# Altium PCB TCM.PcbDoc (part 1 of 10) (continued)
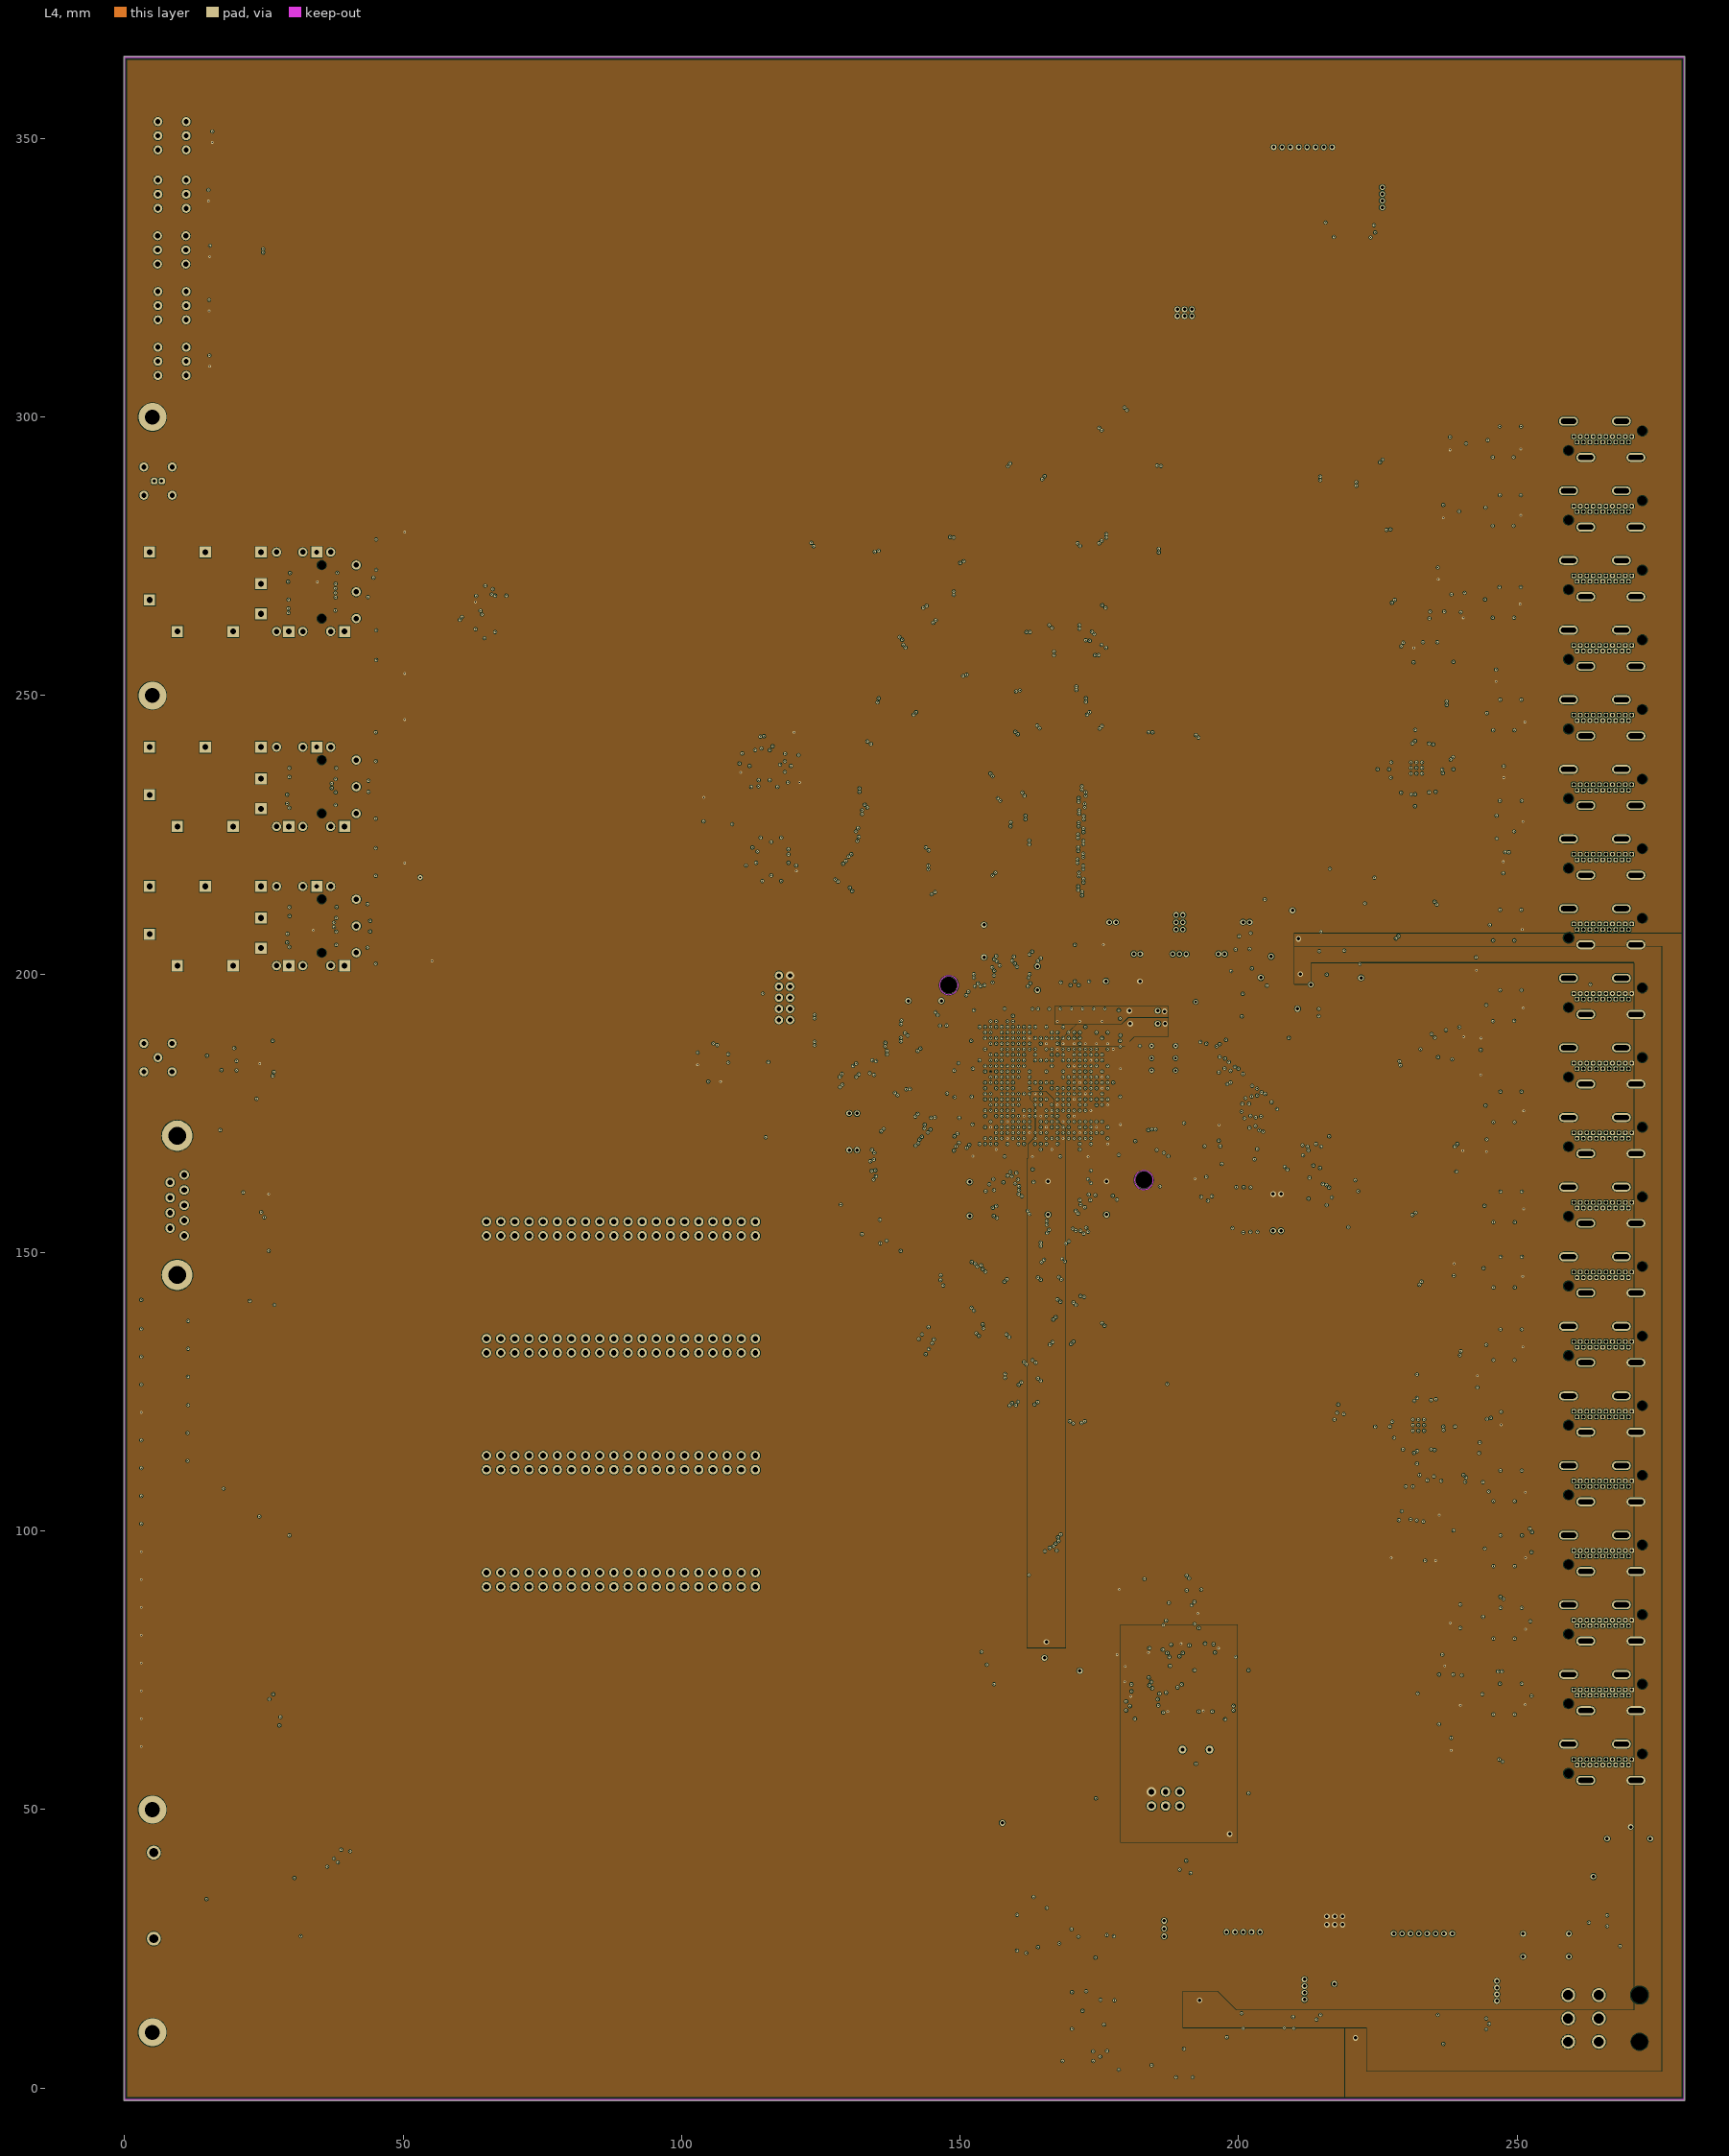
[diagram p4: L4]
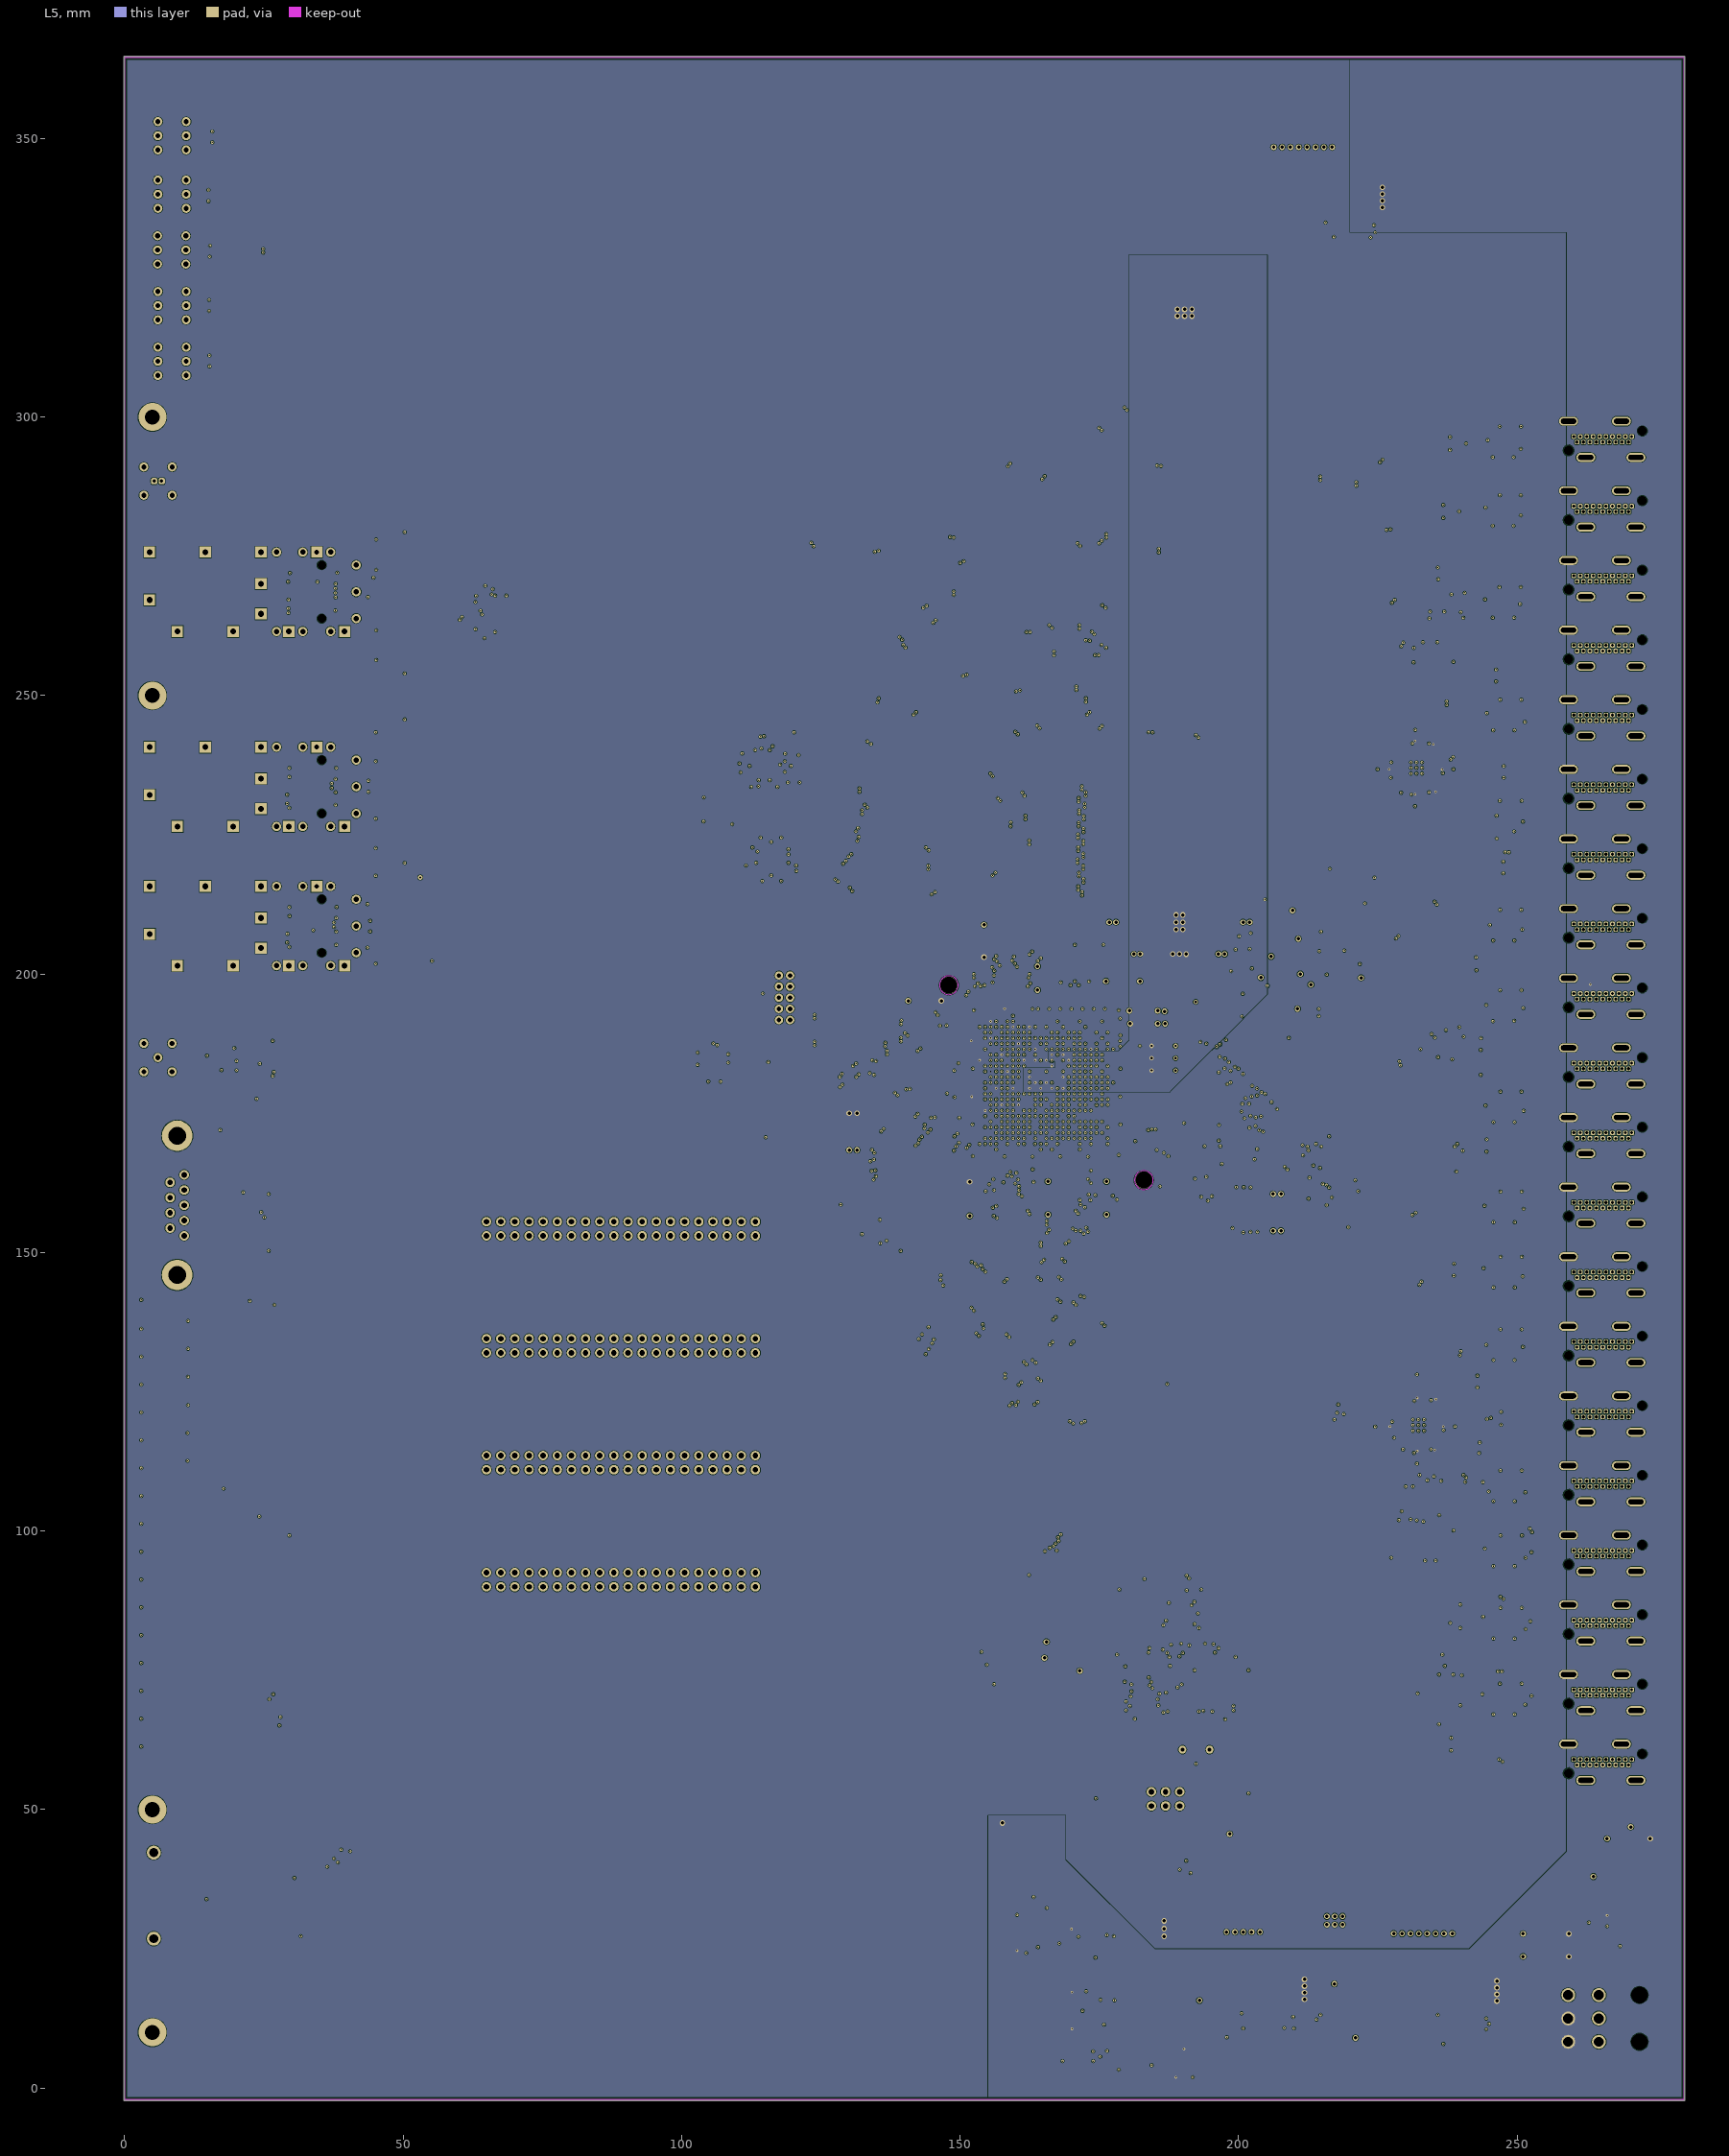
[diagram p5: L5]
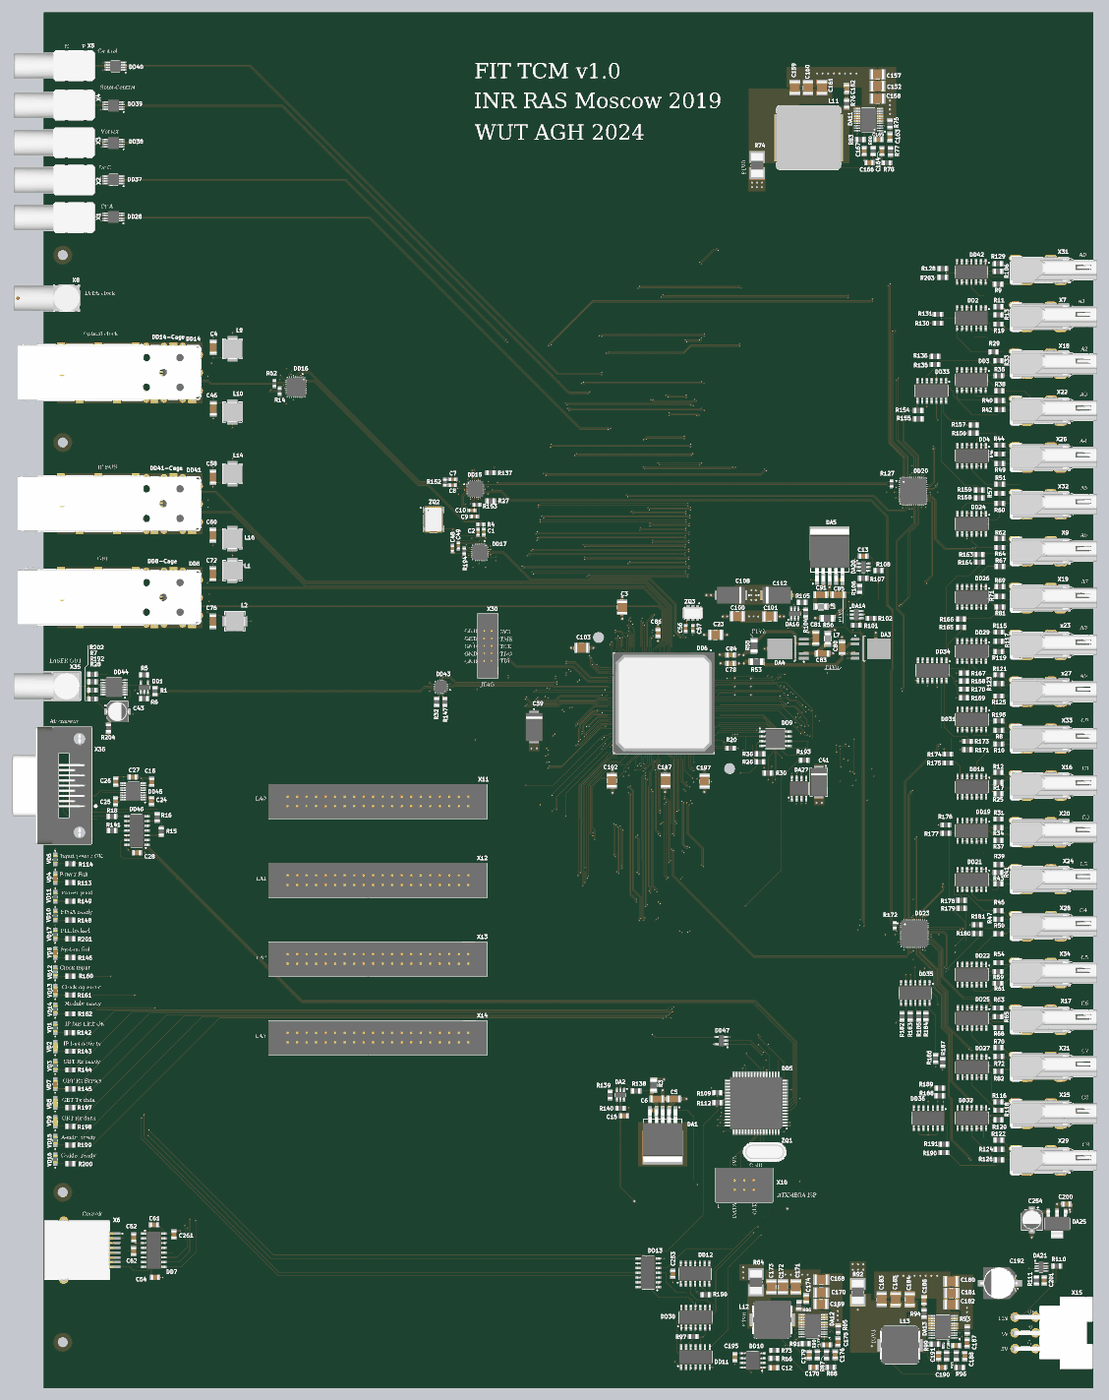
[diagram p15: 3D render of the assembled board from above, using the file's embedded part models]
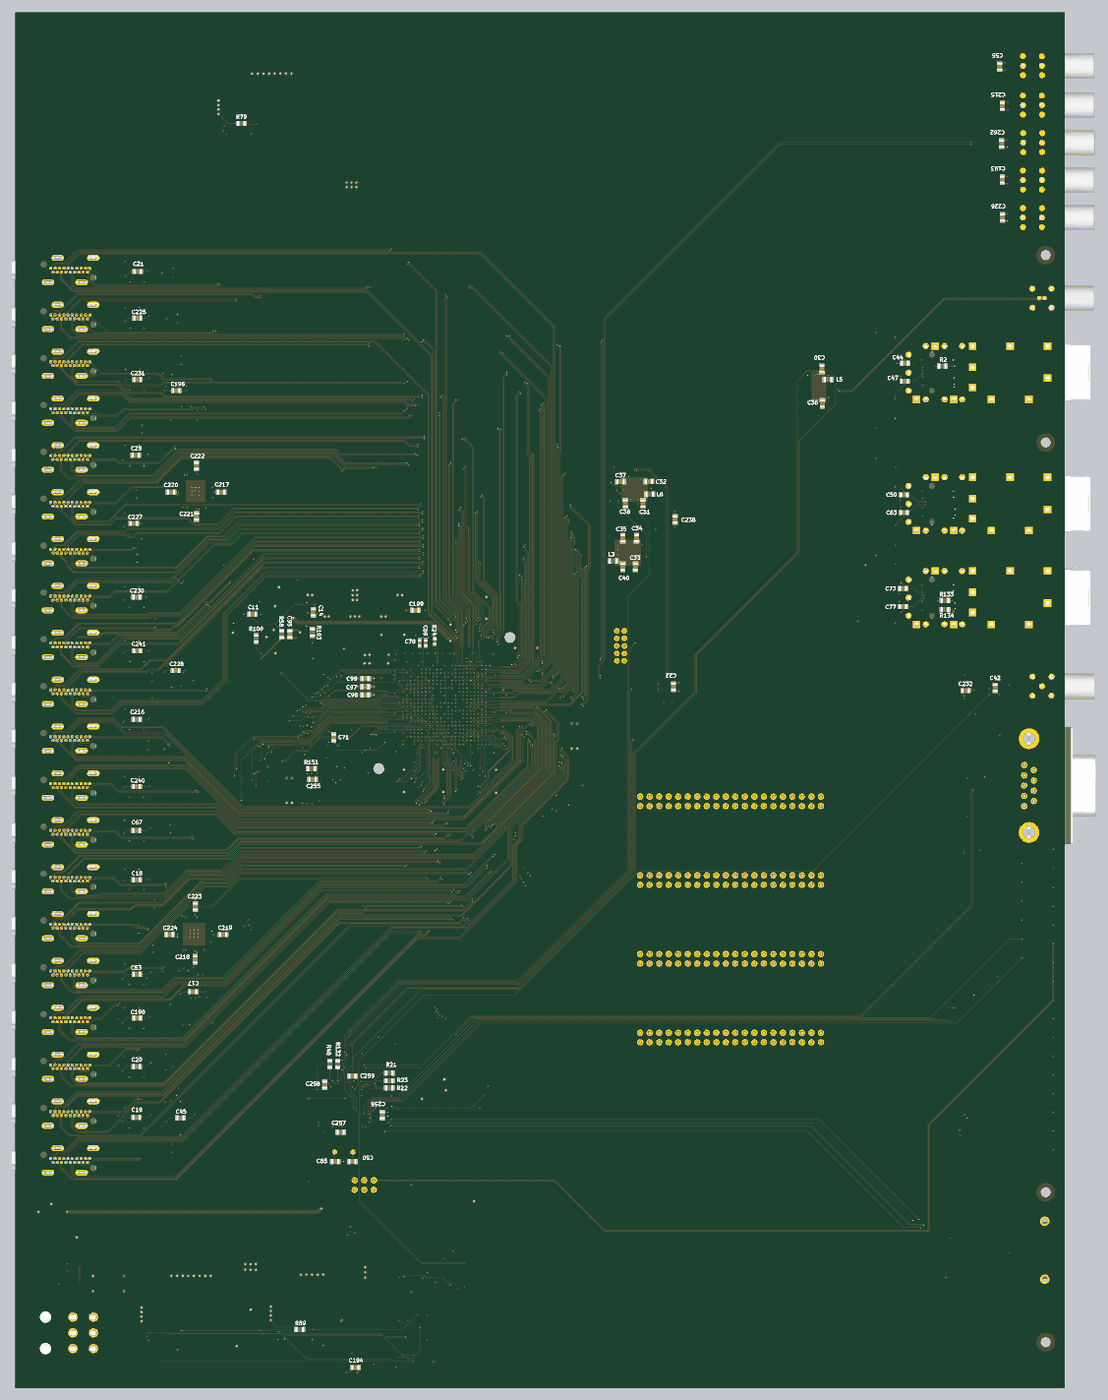
[diagram p16: 3D render of the assembled board from below, using the file's embedded part models]

## Layer stack, top to bottom
Top Solder: solder mask 0.0102, Solder Resist, Dk 3.5
Top: signal copper 0.035
Dielectric 8: prepreg 0.1067, PP-014, Dk 4.2
Dielectric 1: prepreg 0.1067, PP-014, Dk 4.2
L2: signal copper 0.0175
Dielectric 2: core 0.3048, Core-029, Dk 4.7
L3: signal copper 0.0175
Dielectric 3: prepreg 0.36, PP-021, Dk 4.7
L4: signal copper 0.0175
Dielectric 4: core 0.3048, Core-029, Dk 4.7
L5: signal copper 0.0175
Dielectric 5: prepreg 0.1067, PP-014, Dk 4.2
Dielectric 9: prepreg 0.1067, PP-014, Dk 4.2
Bot: signal copper 0.035
Bottom Solder: solder mask 0.0102, Solder Resist, Dk 3.5

## Board outline
-0.125,-2.1 -0.125,364.6 cw(c0,364.6) 0,364.725 280,364.725 cw(c280,364.6) 280.125,364.6 280.125,-2.1 cw(c280,-2.1) 280,-2.225 0,-2.225 cw(c0,-2.1)

## Design rules (kind name [scope] priority, off if disabled: settings)
Clearance Clearance_1 [All] p1 off: gap=0.051 ignorepadtopadclearanceinfootprint=FALSE
Clearance [All] p2: gap=0.1 ignorepadtopadclearanceinfootprint=FALSE
DiffPairsRouting [All] p1: maxlimit=0.254 minlimit=0.03 mostfreqgap=0.254 toplayer_minwidth=0.03 toplayer_maxwidth=0.381 toplayer_prefwidth=0.381 midlayer1_minwidth=0.03 midlayer1_maxwidth=0.381 midlayer1_prefwidth=0.381 midlayer2_minwidth=0.03 midlayer2_maxwidth=0.381 midlayer2_prefwidth=0.381 midlayer3_minwidth=0.03 midlayer3_maxwidth=0.381 midlayer3_prefwidth=0.381 midlayer4_minwidth=0.03 midlayer4_maxwidth=0.381 midlayer4_prefwidth=0.381 bottomlayer_minwidth=0.03 bottomlayer_maxwidth=0.381 bottomlayer_prefwidth=0.381 maxuncoupledlength=12.7
HoleSize [All] p1: absolutevalues=TRUE maxlimit=8 minlimit=0.2 maxpercent=80.000 minpercent=20.000
MinimumSolderMaskSliver [All] p1: minsoldermaskwidth=0.05
PolygonConnect CAM_PolygonConnect_$Net1297 [InNet('$Net1297')] p1: connectstyle=Direct reliefconductorwidth=0.254 reliefentries=4 polygonreliefangle="90 Angle" airgapwidth=0.254
PolygonConnect CAM_PolygonConnect_$Net1298 [InNet('$Net1298')] p2: connectstyle=Direct reliefconductorwidth=0.254 reliefentries=4 polygonreliefangle="90 Angle" airgapwidth=0.254
PolygonConnect CAM_PolygonConnect_$Net1299 [InNet('$Net1299')] p3: connectstyle=Direct reliefconductorwidth=0.254 reliefentries=4 polygonreliefangle="90 Angle" airgapwidth=0.254
PolygonConnect CAM_PolygonConnect_$Net1510 [InNet('$Net1510')] p4: connectstyle=Direct reliefconductorwidth=0.254 reliefentries=4 polygonreliefangle="90 Angle" airgapwidth=0.254
PolygonConnect CAM_PolygonConnect_$Net1252 [InNet('$Net1252')] p5: connectstyle=Direct reliefconductorwidth=0.254 reliefentries=4 polygonreliefangle="90 Angle" airgapwidth=0.254
PolygonConnect CAM_PolygonConnect_$Net1203 [InNet('$Net1203')] p6: connectstyle=Direct reliefconductorwidth=0.254 reliefentries=4 polygonreliefangle="90 Angle" airgapwidth=0.254
PolygonConnect CAM_PolygonConnect_$Net1199 [InNet('$Net1199')] p7: connectstyle=Direct reliefconductorwidth=0.254 reliefentries=4 polygonreliefangle="90 Angle" airgapwidth=0.254
PolygonConnect CAM_PolygonConnect_$Net1201 [InNet('$Net1201')] p8: connectstyle=Direct reliefconductorwidth=0.254 reliefentries=4 polygonreliefangle="90 Angle" airgapwidth=0.254
PolygonConnect CAM_PolygonConnect_$Net1511 [InNet('$Net1511')] p9: connectstyle=Direct reliefconductorwidth=0.254 reliefentries=4 polygonreliefangle="90 Angle" airgapwidth=0.254
PolygonConnect CAM_PolygonConnect_$Net1204 [InNet('$Net1204')] p10: connectstyle=Direct reliefconductorwidth=0.254 reliefentries=4 polygonreliefangle="90 Angle" airgapwidth=0.254
PolygonConnect CAM_PolygonConnect_$Net1207 [InNet('$Net1207')] p11: connectstyle=Direct reliefconductorwidth=0.254 reliefentries=4 polygonreliefangle="90 Angle" airgapwidth=0.254
PolygonConnect CAM_PolygonConnect_$Net1202 [InNet('$Net1202')] p12: connectstyle=Direct reliefconductorwidth=0.254 reliefentries=4 polygonreliefangle="90 Angle" airgapwidth=0.254
PolygonConnect CAM_PolygonConnect_$Net1253 [InNet('$Net1253')] p13: connectstyle=Direct reliefconductorwidth=0.254 reliefentries=4 polygonreliefangle="90 Angle" airgapwidth=0.254
PolygonConnect CAM_PolygonConnect_$Net1492 [InNet('$Net1492')] p14: connectstyle=Direct reliefconductorwidth=0.254 reliefentries=4 polygonreliefangle="90 Angle" airgapwidth=0.254
PolygonConnect CAM_PolygonConnect_$Net1238 [InNet('$Net1238')] p15: connectstyle=Direct reliefconductorwidth=0.254 reliefentries=4 polygonreliefangle="90 Angle" airgapwidth=0.254
PolygonConnect CAM_PolygonConnect_$Net1499 [InNet('$Net1499')] p16: connectstyle=Direct reliefconductorwidth=0.254 reliefentries=4 polygonreliefangle="90 Angle" airgapwidth=0.254
PolygonConnect CAM_PolygonConnect_$Net1200 [InNet('$Net1200')] p17: connectstyle=Direct reliefconductorwidth=0.254 reliefentries=4 polygonreliefangle="90 Angle" airgapwidth=0.254
PolygonConnect CAM_PolygonConnect_$Net1251 [InNet('$Net1251')] p18: connectstyle=Direct reliefconductorwidth=0.254 reliefentries=4 polygonreliefangle="90 Angle" airgapwidth=0.254
PolygonConnect CAM_PolygonConnect_$Net1198 [InNet('$Net1198')] p19: connectstyle=Direct reliefconductorwidth=0.254 reliefentries=4 polygonreliefangle="90 Angle" airgapwidth=0.254
PolygonConnect CAM_PolygonConnect_$Net1237 [InNet('$Net1237')] p20: connectstyle=Direct reliefconductorwidth=0.254 reliefentries=4 polygonreliefangle="90 Angle" airgapwidth=0.254
PolygonConnect CAM_PolygonConnect_$Net1226 [InNet('$Net1226')] p21: connectstyle=Direct reliefconductorwidth=0.254 reliefentries=4 polygonreliefangle="90 Angle" airgapwidth=0.254
PolygonConnect CAM_PolygonConnect_$Net1225 [InNet('$Net1225')] p22: connectstyle=Direct reliefconductorwidth=0.254 reliefentries=4 polygonreliefangle="90 Angle" airgapwidth=0.254
PolygonConnect CAM_PolygonConnect_$Net1216 [InNet('$Net1216')] p23: connectstyle=Direct reliefconductorwidth=0.254 reliefentries=4 polygonreliefangle="90 Angle" airgapwidth=0.254
PolygonConnect CAM_PolygonConnect_$Net1217 [InNet('$Net1217')] p24: connectstyle=Direct reliefconductorwidth=0.254 reliefentries=4 polygonreliefangle="90 Angle" airgapwidth=0.254
PolygonConnect CAM_PolygonConnect_$Net1405 [InNet('$Net1405')] p25: connectstyle=Direct reliefconductorwidth=0.254 reliefentries=4 polygonreliefangle="90 Angle" airgapwidth=0.254
PolygonConnect CAM_PolygonConnect_$Net1407 [InNet('$Net1407')] p26: connectstyle=Direct reliefconductorwidth=0.254 reliefentries=4 polygonreliefangle="90 Angle" airgapwidth=0.254
PolygonConnect CAM_PolygonConnect_$Net1406 [InNet('$Net1406')] p27: connectstyle=Direct reliefconductorwidth=0.254 reliefentries=4 polygonreliefangle="90 Angle" airgapwidth=0.254
PolygonConnect CAM_PolygonConnect_$Net851 [InNet('$Net851')] p28: connectstyle=Direct reliefconductorwidth=0.254 reliefentries=4 polygonreliefangle="90 Angle" airgapwidth=0.254
PolygonConnect CAM_PolygonConnect_$Net924 [InNet('$Net924')] p29: connectstyle=Direct reliefconductorwidth=0.254 reliefentries=4 polygonreliefangle="90 Angle" airgapwidth=0.254
PolygonConnect CAM_PolygonConnect_$Net916 [InNet('$Net916')] p30: connectstyle=Direct reliefconductorwidth=0.254 reliefentries=4 polygonreliefangle="90 Angle" airgapwidth=0.254
PolygonConnect [All] p31: connectstyle=Direct reliefconductorwidth=0.254 reliefentries=4 polygonreliefangle="90 Angle" airgapwidth=0.254
RoutingVias [All] p1: holewidth=0.711 width=1.27 viastyle="Through Hole" minholewidth=0.2 minwidth=0.3 maxholewidth=5 maxwidth=5.2
SilkToSilkClearance [All] p1: silktosilkclearance=0.05
SilkToSolderMaskClearance [IsPad] p1: minsilkscreentomaskgap=0.05 clearancetoexposedcopper=TRUE
SolderMaskExpansion [All] p1: expansion=0.05 istentingtop=FALSE
SupplyNets "Schematic Supply Nets_16" [InNet('GND')] p1: voltage=0.000
SupplyNets "Schematic Supply Nets_15" [InNet('P2V5')] p2: voltage=0.000
SupplyNets "Schematic Supply Nets_14" [InNet('P1V0_LDO_2')] p3: voltage=0.000
SupplyNets "Schematic Supply Nets_13" [InNet('P1V2_LDO_2')] p4: voltage=0.000
SupplyNets "Schematic Supply Nets_12" [InNet('P1V8_2_F')] p5: voltage=0.000
SupplyNets "Schematic Supply Nets_11" [InNet('P3V3')] p6: voltage=0.000
SupplyNets "Schematic Supply Nets_10" [InNet('P1V8')] p7: voltage=0.000
SupplyNets "Schematic Supply Nets_9" [InNet('P3V3_LDO')] p8: voltage=0.000
SupplyNets "Schematic Supply Nets_8" [InNet('P1V8_2')] p9: voltage=0.000
SupplyNets "Schematic Supply Nets_7" [InNet('P1V8_LDO')] p10: voltage=0.000
SupplyNets "Schematic Supply Nets_6" [InNet('P2V5_2')] p11: voltage=0.000
SupplyNets "Schematic Supply Nets_5" [InNet('P1V0_LDO')] p12: voltage=0.000
SupplyNets "Schematic Supply Nets_4" [InNet('P1V0')] p13: voltage=0.000
SupplyNets "Schematic Supply Nets_3" [InNet('P1V2_LDO')] p14: voltage=0.000
SupplyNets "Schematic Supply Nets_2" [InNet('VIN_P5V0')] p15: voltage=0.000
SupplyNets "Schematic Supply Nets_1" [InNet('P3V3_2')] p16: voltage=0.000
SupplyNets "Schematic Supply Nets" [InNet('P1V8_LDO_2')] p17: voltage=0.000
Width [All] p1: maxlimit=12.7 minlimit=0.051 preferedwidth=0.051 minimp=50.000000 maximp=50.000000 favimp=50.000000
25 further rules are at their usual default settings.

## Classes and differential pairs
net class TCM_SPI_SELC_[0..9]: TCM_SPI_SELC_0 TCM_SPI_SELC_1 TCM_SPI_SELC_2 TCM_SPI_SELC_3 TCM_SPI_SELC_4 TCM_SPI_SELC_5 TCM_SPI_SELC_6 TCM_SPI_SELC_7 TCM_SPI_SELC_8 TCM_SPI_SELC_9
net class TCM_SPI_SELA_[0..9]: TCM_SPI_SELA_0 TCM_SPI_SELA_1 TCM_SPI_SELA_2 TCM_SPI_SELA_3 TCM_SPI_SELA_4 TCM_SPI_SELA_5 TCM_SPI_SELA_6 TCM_SPI_SELA_7 TCM_SPI_SELA_8 TCM_SPI_SELA_9
net class TCM_SPI_MOSIC_[0..9]: TCM_SPI_MOSIC_0 TCM_SPI_MOSIC_1 TCM_SPI_MOSIC_2 TCM_SPI_MOSIC_3 TCM_SPI_MOSIC_4 TCM_SPI_MOSIC_5 TCM_SPI_MOSIC_6 TCM_SPI_MOSIC_7 TCM_SPI_MOSIC_8 TCM_SPI_MOSIC_9
net class TCM_SPI_MOSIA_[0..9]: TCM_SPI_MOSIA_0 TCM_SPI_MOSIA_1 TCM_SPI_MOSIA_2 TCM_SPI_MOSIA_3 TCM_SPI_MOSIA_4 TCM_SPI_MOSIA_5 TCM_SPI_MOSIA_6 TCM_SPI_MOSIA_7 TCM_SPI_MOSIA_8 TCM_SPI_MOSIA_9
net class TCM_SPI_MISOC_[0..9]: TCM_SPI_MISOC_0 TCM_SPI_MISOC_1 TCM_SPI_MISOC_2 TCM_SPI_MISOC_3 TCM_SPI_MISOC_4 TCM_SPI_MISOC_5 TCM_SPI_MISOC_6 TCM_SPI_MISOC_7 TCM_SPI_MISOC_8 TCM_SPI_MISOC_9
net class TCM_SPI_MISOA_[0..9]: TCM_SPI_MISOA_0 TCM_SPI_MISOA_1 TCM_SPI_MISOA_2 TCM_SPI_MISOA_3 TCM_SPI_MISOA_4 TCM_SPI_MISOA_5 TCM_SPI_MISOA_6 TCM_SPI_MISOA_7 TCM_SPI_MISOA_8 TCM_SPI_MISOA_9
net class TCM_SPI_CLKC_[0..9]: TCM_SPI_CLKC_0 TCM_SPI_CLKC_1 TCM_SPI_CLKC_2 TCM_SPI_CLKC_3 TCM_SPI_CLKC_4 TCM_SPI_CLKC_5 TCM_SPI_CLKC_6 TCM_SPI_CLKC_7 TCM_SPI_CLKC_8 TCM_SPI_CLKC_9
net class TCM_SPI_CLKA_[0..9]: TCM_SPI_CLKA_0 TCM_SPI_CLKA_1 TCM_SPI_CLKA_2 TCM_SPI_CLKA_3 TCM_SPI_CLKA_4 TCM_SPI_CLKA_5 TCM_SPI_CLKA_6 TCM_SPI_CLKA_7 TCM_SPI_CLKA_8 TCM_SPI_CLKA_9
net class LA3_[15..0]: LA3_0 LA3_1 LA3_2 LA3_3 LA3_4 LA3_5 LA3_6 LA3_7 LA3_8 LA3_9 LA3_10 LA3_11 LA3_12 LA3_13 LA3_14 LA3_15
component class U_FIT_TCM_LEMO_OUT: C55 C193 C215 C226 C262 DD28 DD37 DD38 DD39 DD40 X1 X2 X3 X4 X5
component class U_FIT_TCM_Main_PLL: C22 C30 C36 C42 C43 C232 DD1 DD16 DD43 DD44 L5 R1 R5 R6 R7 R14 R28 R32 R52 R147 R192 R202 R204 X8 X35
component class U_FIT_TCM_SI5338A: C1 C2 C7 C8 C9 C10 C31 C32 C33 C34 C35 C37 C38 C40 C48 C49 C238 DD15 DD17 L3 L6 R4 R27 R137 R152 R153 R194 ZQ2
component class U_FIT_TCM_SFP_PLUS: C4 C44 C46 C47 C58 C59 C60 C63 C72 C73 C76 C77 DD8 DD8-Cage DD14 DD14-Cage DD41 DD41-Cage L1 L2 L9 L10 L14 L16 R2 R133 R134
component class U_FIT_TCM_RJ45: C16 C24 C25 C26 C27 C28 C52 C54 C61 C62 C261 DD7 DD45 DD46 R15 R16 R18 R141 X6 X36
component class U_FIT_TCM_P3V3: C180 C181 C182 C183 C184 C185 C186 C187 C188 C189 C190 C191 C192 C200 C201 C254 DA13 DA21 DA25 L13 R92 R93 R94 R95 R96 R98 R99 R110 R111 X15
component class U_FIT_TCM_P1V8: C12 C168 C169 C170 C171 C172 C173 C174 C175 C176 C177 C178 C179 C194 C195 DA12 DD10 L12 R66 R73 R84 R85 R86 R87 R88 R89 R90 R91
component class U_FIT_TCM_P1V0: C152 C157 C158 C159 C160 C161 C162 C163 C164 C165 C166 C167 DA11 L11 R74 R75 R76 R77 R78 R79 R80 R83
component class U_FIT_TCM_LOGIC: C253 DD11 DD12 DD13 DD30 R97 R113 R114 R148 R149 R150 VD4 VD6 VD10 VD11
component class U_FIT_TCM_LDO: C5 C6 C11 C13 C14 C15 C78 C80 C81 C83 C84 C85 C91 C95 DA1 DA2 DA3 DA4 DA5 DA14 DA16 DA20 L7 L8 R3 R53 R55 R56 R58 R100 R101 R102 R103 R104 R105 R106 R107 R108 R138 R139 R140
component class U_FIT_TCM_ATxmega: C50 C65 C71 C255 C256 C257 C258 C259 DA27 DD5 DD9 DD47 R21 R22 R23 R26 R30 R36 R48 R109 R112 R132 R146 R151 R160 R161 R162 R193 R201 VD8 VD12 VD13 VD14 VD17 X10 ZQ1
component class U_FIT_TCM_ADCLK854: C217 C218 C219 C220 C221 C222 C223 C224 DD20 DD23 R127 R172
component class U_FIT_HDMI_X34-28: C18 C53 DD22 R45 R47 R50 R54 R59 R61 R180 R181 R182 R183 X28 X34
component class U_FIT_HDMI_X32-26: C29 C196 DD4 DD24 R44 R46 R49 R51 R57 R60 R156 R157 R158 R159 X26 X32
component class U_FIT_HDMI_X31-7: C21 DD2 DD33 DD42 R9 R11 R13 R19 R128 R129 R130 R131 R196 R203 X7 X31
component class U_FIT_HDMI_X27-23: C241 DD29 DD31 R115 R117 R119 R121 R123 R125 R167 R168 R169 R170 x23 x27
component class U_FIT_HDMI_X25-29: C19 C45 DD32 DD36 R116 R118 R120 R122 R124 R126 R188 R189 R190 R191 X25 X29
component class U_FIT_HDMI_X24-20: C67 DD19 DD21 DD35 R31 R34 R37 R39 R41 R43 R176 R177 R178 R179 X20 X24
component class U_FIT_HDMI_X22-18: C225 C231 DD3 R29 R33 R35 R38 R40 R42 R135 R136 R154 R155 X18 X22
component class U_FIT_HDMI_X21-17: C17 C20 C198 DD25 DD27 R63 R65 R68 R70 R72 R82 R184 R185 R186 R187 X17 X21
component class U_FIT_HDMI_X19-9: C227 C230 DD26 DD34 R62 R64 R67 R69 R71 R81 R163 R164 R165 R166 X9 X19
component class U_FIT_HDMI_X16-33: C216 C228 C240 DD18 R8 R10 R12 R17 R25 R171 R173 R174 R175 R195 X16 X33
component class U_FIT_FPGA_POWER: C3 C23 C39 C41 C86 C97 C98 C99 C100 C101 C102 C103 C108 C112 C147 C197
component class U_FIT_FPGA_I-J-K: C56 C57 C69 C70 C199 R24 X30 ZQ3
component class U_FIT_FPGA_A-C: DD6 R20 R142 R143 R144 R145 R197 R198 R199 R200 VD1 VD2 VD3 VD5 VD7 VD9 VD15 VD16 X11 X12 X13 X14
differential pair SC: +SC_P -SC_N
differential pair OrB: +OrB_P -OrB_N